# Allegro board OE19_backplane_1v02_b_0705_0920_customer.brd (continued)
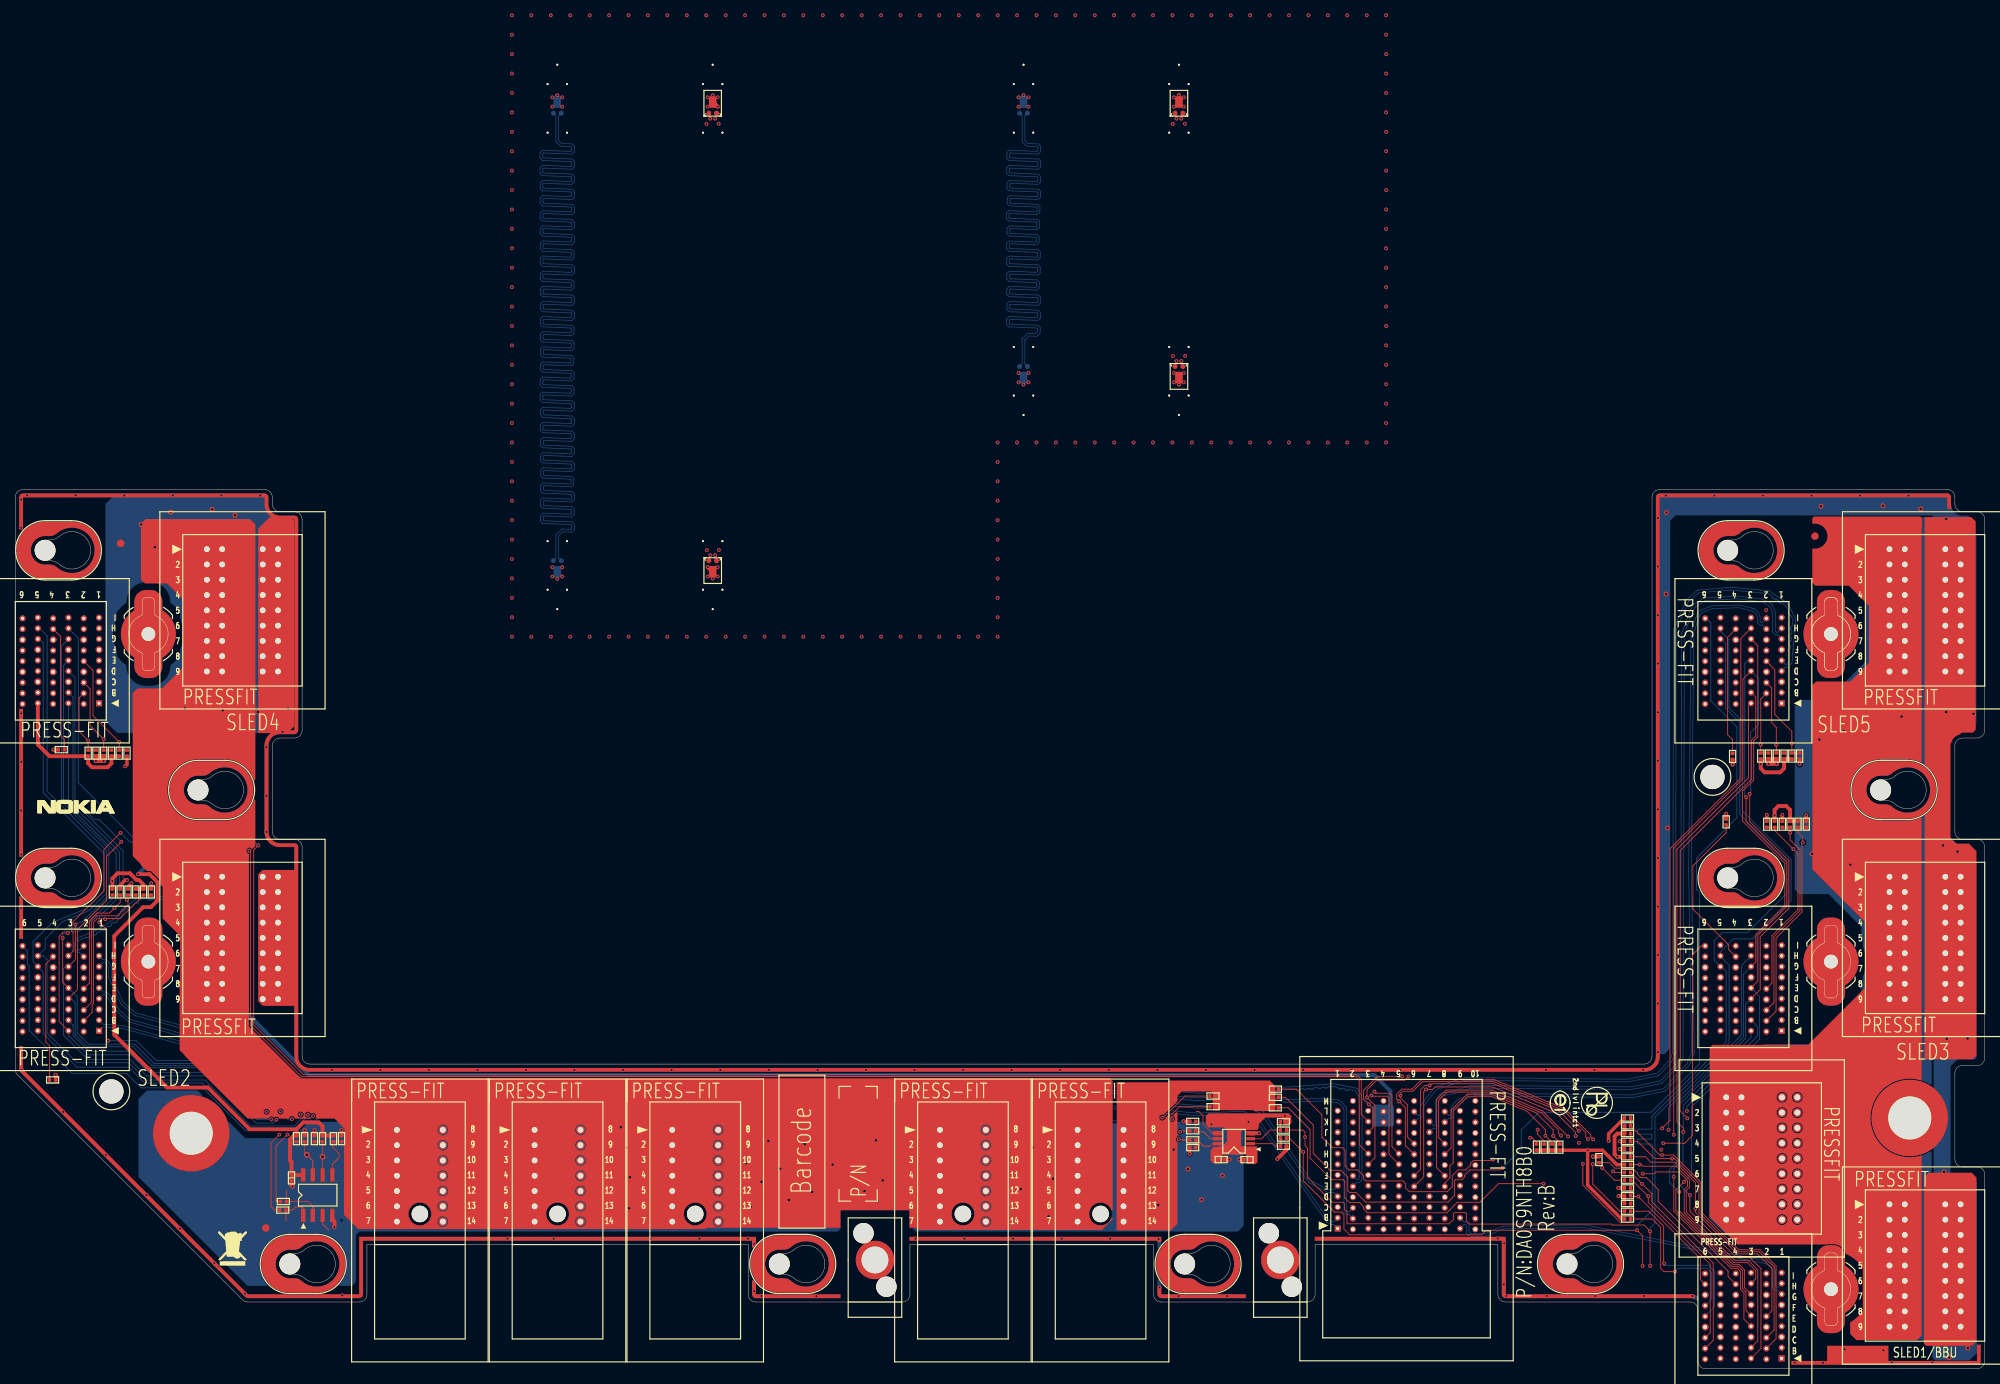
[diagram p0: board, top side]
## Routing (per net, layer and track width the routed paths; a pad name or vN(x,y) marks a point on that pad's centre or on a via; arc(x,y) is an arc through that point) (continued)
PD_BBU_A0: length 17.2
  TOP w0.114: J7.H6 220.34,11.66 220.34,14.38 212.22,22.5 v1(212.22,22.53) 211.3,22.53 R31.2 R32.1
PD_SLED1_CHASSIS_INTRUSION: length 25.9
  TOP w0.114: R54.1 208.43,26.95 209.15,26.23 211.46,26.23 212.11,25.58 212.11,25.42 212.53,25 213.26,25 214.81,23.45 214.81,21.89 223.94,12.76 223.94,12.06 J7.H4
PD_SLED1_PRSNT_RETURN: length 74.1
  TOP w0.114: v1(199.83,24.21) 193.94,24.21 191.5,21.77 188.54,21.77 187.18,20.4 176.78,20.4 176.29,20.88 176.29,21.2 175.75,21.74 174.44,21.74 173.83,22.35 173.83,24.5 173.61,24.72 172.12,24.72 169.29,27.55 169.29,31.29 166.44,34.13 R41.1
  IN1 w0.127: J7.I6 220.29,12.45 215.18,17.56 215.18,20.44 214.26,21.36 211.71,21.36 210.68,22.39 210.68,23.86 210.32,24.21 v1(199.83,24.21)
PD_SLED2_CHASSIS_INTRUSION: length 16.7
  TOP w0.114: R55.1 4.48,42.23 3.98,42.73 3.98,52.93 J9.H4
PD_SLED2_PRSNT_RETURN: length 173.5
  TOP w0.114: v1(151.24,32.69) 151.24,33.28 152.23,34.28 R42.1
  BOTTOM w0.114: J9.I6 0.95,55.28 1.56,54.67 1.56,52.93 1.81,52.69 1.81,44.28 7.46,38.63 14.57,38.63 16.46,36.74 24.51,36.74 30.08,31.17 36.74,31.17 38.01,32.44 39.28,32.44 39.73,32.89 93.32,32.89 93.78,32.43 149.61,32.43 149.91,32.13 150.69,32.13 v1(151.24,32.69)
PD_SLED3_CHASSIS_INTRUSION: length 21.4
  TOP w0.114: J10.H4 224.02,54.83 224.02,55.43 219.34,60.11 219.34,65.77 223.7,70.12 R56.1
PD_SLED3_PRSNT_RETURN: length 94.7
  TOP w0.114: J10.I6 220.42,55.3 219.3,54.18 219.3,30.53 218.27,29.5 v1(215.48,29.5) ; v1(193.21,27.35) 193.1,27.24 190.65,27.24 190.29,26.89 190.29,26.63 189.65,26 188.65,26 187.88,25.23 187.88,23.82 187.22,23.15 182.28,23.15 181.79,23.64 181.79,24.21 181.44,24.56 176.59,24.56 176.29,24.86 176.29,25.23 175.51,26.01 174.38,26.01 173.87,26.51 173.87,28.57 173.53,28.91 172.22,28.91 170.83,30.3 170.83,33.23 167.49,36.57 R43.1
  IN2 w0.127: v1(193.21,27.35) 193.67,27.35 194.95,28.63 204.28,28.63 204.87,29.23 206.36,29.23 208.43,27.16 209.94,27.16 212.28,29.5 v1(215.48,29.5)
PD_SLED4_CHASSIS_INTRUSION: length 16.4
  TOP w0.114: J11.H4 5.9,95.8 5.9,82.84 6.41,82.33 R57.1
PD_SLED4_PRSNT_RETURN: length 213.4
  TOP w0.114: R44.1 152.93,35.67 150.12,32.86 v1(149.97,32.86)
  IN2 w0.127: v1(149.97,32.86) 149.28,32.16 117,32.16 116.81,32.35 51.63,32.35 51.44,32.54 37.23,32.54 35.43,34.34 28.84,34.34 24.62,38.56 15.19,38.56 10.19,43.56 10.19,58.6 11.68,60.09 11.68,66.36 8.18,69.86 8.18,83.2 5.22,86.16 2.66,86.16 1.92,86.91 1.92,97.28 1.05,98.15 J11.I6
PD_SLED5_CHASSIS_INTRUSION: length 17
  TOP w0.114: J12.H4 223.89,95.69 223.89,82.93 224.54,82.28 R58.1
PD_SLED5_PRSNT_RETURN: length 136.7
  TOP w0.114: R45.1 166.08,35.5 169.71,31.87 169.71,28.15 171.91,25.96 173.32,25.96 174.22,25.05 174.22,23.27 174.43,23.06 175.29,23.06 176.56,21.79 187.32,21.79 188.16,22.63 188.16,24.61 188.28,24.73 189.15,24.73 189.51,25.08 189.51,25.31 190.2,26.01 194.2,26.01 v1(194.44,26.26)
  BOTTOM w0.114: J12.I6 221.12,98.15 221.68,97.58 221.68,87.37 225.09,83.96 225.09,72.06 219.83,66.8 219.83,62.72 220.22,62.33 220.22,39.87 213.88,33.54 199.21,33.54 196.9,31.23 196.9,28.71 v1(194.44,26.26)
SB_SLED1_ADDR_0: length 41.2
  TOP w0.114: J7.B2 230.22,3.92 230.22,13.47 228.13,15.55 225.36,15.55 220.4,20.51 220.4,24.38 216.84,27.95 v1(215.32,27.95) 215.03,27.95 R2297.2 R2298.1
SB_SLED1_ADDR_1: length 38.5
  TOP w0.114: J7.C2 229.95,5.05 229.95,13.36 228.02,15.29 225.25,15.29 220.13,20.4 220.13,24.27 216.92,27.48 v1(216.64,27.48) 214.37,27.48 212.11,29.74 R21.1 R13.2
SB_SLED1_ADDR_2: length 34.4
  TOP w0.114: R24.1 R15.2 213.15,27.71 213.84,27.02 217.01,27.02 219.67,24.36 v1(219.67,20.93) 219.67,20.49 225.14,15.02 227.78,15.02 229.69,13.12 229.69,7.59 J7.E2
SB_SLED2_ADDR_0: length 22.6
  TOP w0.114: R9.1 R8.2 13.71,58.9 11.88,58.9 v1(11.76,58.79) 11.65,58.79 11.51,58.93 10.76,58.93 10.22,58.39 10.22,50.21 10.21,50.21 10.21,47.79 10.05,47.63 10.05,46.6 J9.B2
SB_SLED2_ADDR_1: length 20.1
  TOP w0.114: R1.2 R19.1 14.73,61.48 v1(14.6,61.35) 14.73,61.21 14.73,60.64 13.34,59.25 10.7,59.25 9.95,58.5 9.95,50.32 9.95,50.32 9.95,47.9 J9.C2
SB_SLED2_ADDR_2: length 16.2
  TOP w0.114: J9.E2 9.68,50.43 9.68,58.61 10.68,59.61 12.31,59.61 v1(12.97,60.26) 13.72,61.01 R22.1 R14.2
SB_SLED3_ADDR_0: length 28.6
  TOP w0.114: R10.2 233.09,70.83 ; 233.09,70.83 233.09,70.11 233.71,69.49 v1(233.71,68.83) 233.61,68.74 233.61,59.73 230.22,56.33 230.22,46.77 J10.B2 ; 233.09,70.83 R11.1
SB_SLED3_ADDR_1: length 27.3
  TOP w0.114: J10.C2 229.95,47.9 229.95,56.54 233.34,59.94 233.34,67.88 232.05,69.17 v1(232.05,70.1) R12.2 R20.1
SB_SLED3_ADDR_2: length 25.1
  TOP w0.114: J10.E2 229.68,50.43 229.68,56.65 233.08,60.05 233.08,67.38 v1(232.49,67.97) 230.02,70.44 R2.2 R23.1
SB_SLED4_ADDR_0: length 9.2
  TOP w0.114: J11.B2 8.34,87.74 8.34,83.35 v1(9.53,82.16) R3.2 R7.1
SB_SLED4_ADDR_1: length 10.9
  TOP w0.114: R18.2 R26.1 v1(11.56,82.35) 9.78,84.12 9.78,88.92 J11.C2
SB_SLED4_ADDR_2: length 14.6
  TOP w0.114: J11.E2 10.16,91.34 10.16,85.41 v1(13.59,81.98) R6.2 R28.1
SB_SLED5_ADDR_0: length 9.1
  TOP w0.114: J12.B2 228.22,87.62 v1(228.22,81.66) R16.2 R17.1
SB_SLED5_ADDR_1: length 10.8
  TOP w0.114: J12.C2 229.64,89.06 229.64,84.51 230.25,83.9 v1(230.25,81.61) R25.1 R4.2
SB_SLED5_ADDR_2: length 14.4
  TOP w0.114: J12.E2 230.06,91.44 230.06,85.59 232.28,83.36 v1(232.28,81.79) R5.2 R27.1
SMB_3UBP_TEMP_SCL: length 6.3
  TOP w0.114: U31.2 38.91,21.22 38.25,21.87 R1123.1 35.45,23.31
SMB_3UBP_TEMP_SDA: length 4.8
  TOP w0.114: 35.38,19.35 R1122.1 36.25,20.75 36.63,21.14 37.52,21.14 37.64,21.02 U31.1
SMB_BBU_ALERT_N: length 56.8
  TOP w0.114: R37.2 211.2,21.4 R38.1 209.79,20.6 206.26,24.14 206.26,24.98 v1(206.26,26.75)
  IN1 w0.127: v1(206.26,26.75) 205.74,27.27 199.17,27.27 197.36,29.09 197.36,32.53 192.16,37.72 186.79,37.72 183.68,34.61 183.68,19.56 J8.A7
SMB_BBU_ALERT_R_N: length 23.5
  TOP w0.114: R38.2 213.57,20.6 215.52,18.65 215.52,13.82 v1(215.6,13.74)
  BOTTOM w0.114: v1(215.6,13.74) 215.81,13.53 221.39,13.53 222.18,12.74 222.18,8.08 J7.E6
SMB_PMBUS_BBU_SCL: length 27.9
  TOP w0.114: R39.2 v1(212.71,24.17) 213.98,22.9 213.98,21.84 222,13.82 222,3.7 J7.B6
SMB_PMBUS_BBU_SDA: length 25.3
  TOP w0.114: R40.2 211.4,24.66 v1(213.51,22.56) 213.51,21.75 221.61,13.65 221.61,4.71 J7.C6
SMB_PMBUS_SCL: length 44.5
  TOP w0.114: R39.1 209.04,25.68 v1(208.91,25.81)
  IN1 w0.127: v1(208.91,25.81) 198.74,25.81 196.06,28.5 196.06,31.99 191.63,36.42 187.32,36.42 186.15,35.25 186.15,24.58 185.85,24.28 185.85,23.49 J8.D7
SMB_PMBUS_SDA: length 44.2
  TOP w0.114: v1(207.48,26.28) 209.1,24.66 R40.1
  IN1 w0.127: J8.E7 185.72,24.76 185.72,35.43 187.14,36.86 191.81,36.86 196.49,32.17 196.49,28.68 198.89,26.28 v1(207.48,26.28)
SMB_SLED_BUF_SCL: length 406.4
  TOP w0.114: v1(212.77,13.44) 212.77,17.38 v1(212.04,18.12) 192.3,18.12 191.7,17.51 174.47,17.51 173.72,18.26 173.72,20.2 173.43,20.49 172.5,20.49 168.4,24.59 v1(168.4,28.35) 166.57,30.17 R52.2
  IN1 w0.127: v1(168.4,28.35) 168.09,28.65 151.54,28.65 145.51,34.68 40.56,34.68 v1(38.94,33.06)
  IN2 w0.127: J7.G5 222.62,9.75 221.97,10.4 214.3,10.4 212.77,11.92 v1(212.77,13.44)
  BOTTOM w0.114: v1(212.04,18.12) 212.04,18.73 214.07,20.76 214.07,29.2 213.88,29.39 212.21,29.39 212.09,29.5 212.09,29.92 212.21,30.04 213.88,30.04 214,30.15 214,30.57 213.88,30.69 212.21,30.69 212.09,30.8 212.09,31.22 212.21,31.34 213.88,31.34 214,31.45 214,33.04 223.69,42.73 223.69,52.01 223.1,52.6 J10.G5 222.13,53.42 222.13,55.98 223.19,57.04 226.47,57.04 231.6,62.17 231.6,66.39 225.48,72.52 225.48,84.52 223.6,86.39 223.6,94.89 223.04,95.45 J12.G5 ; J11.G5 3.14,95.45 3.65,94.94 3.65,75.34 11.6,67.4 11.6,62.42 9.43,60.25 4.82,58.34 2.32,55.85 2.32,53.23 J9.G5 2.95,52.58 3.63,51.9 3.63,43.86 8.05,39.44 14.84,39.44 16.91,37.37 24.46,37.37 30.36,31.47 36.61,31.47 37.89,32.76 38.63,32.76 v1(38.94,33.06)
SMB_SLED_BUF_SCL_R: length 5.1
  TOP w0.114: R52.1 R50.2 164.78,29.1 164.45,29.43 U118.2
SMB_SLED_BUF_SDA: length 403.3
  TOP w0.114: R53.2 168.35,31.21 168.63,30.93 v1(168.63,30.3) 168.63,29.2 168.96,28.87 168.96,24.99 172.18,21.77 173.6,21.77 173.8,21.58 173.8,20.86 174.11,20.55 174.11,19.08 174.23,18.96 187.46,18.96 188.04,19.54 188.04,20.3 188.16,20.41 189.6,20.41 189.73,20.29 189.73,19.35 190.15,18.93 208.68,18.93 208.81,18.79 212.96,18.79 213.75,18 v1(213.75,17.94) v1(213.75,13.45)
  IN1 w0.127: v1(168.63,30.3) 167.85,30.3 166.88,29.32 151.93,29.32 146.12,35.13 40.15,35.13 v1(38.25,33.22)
  IN2 w0.127: J7.H5 222.22,11.15 221.65,11.71 215.48,11.71 v1(213.75,13.45)
  BOTTOM w0.114: v1(38.25,33.22) 37.96,33.22 36.48,31.75 30.81,31.75 24.79,37.76 17.13,37.76 14.85,40.04 8.04,40.04 4.16,43.91 4.16,53.51 3.67,54 J9.H5 3.92,54.97 3.92,56.21 6.2,58.49 9.65,59.92 11.94,62.21 11.94,67.77 4.15,75.55 4.15,95.88 3.18,96.85 J11.H5 ; J12.H5 222.95,96.49 224.05,95.39 224.05,86.48 225.8,84.72 225.8,72.97 232.19,66.59 232.19,61.26 227.16,56.23 224.66,56.23 222.95,54.52 J10.H5 222.95,53.91 224.08,52.79 224.08,42.6 214.38,32.9 214.38,19.03 213.75,18.39 v1(213.75,17.94)
SMB_SLED_BUF_SDA_R: length 5.4
  TOP w0.114: R51.2 R53.1 164.08,31.21 162.96,30.08 U118.3
SMB_SLED_COMBINE_SCL: length 202.4
  TOP w0.114: v1(35.59,30.63) 34.08,29.12 34.08,21.99 34.19,21.87 R1123.2 ; R46.1 152.19,29.94 v1(152.12,30.01) ; v1(177.31,35.75) 177.42,35.64 179.35,35.64 179.61,35.39 179.61,28.03 J8.G5
  IN1 w0.127: v1(152.12,30.01) 151.72,30.42 151.72,31.3 151.98,31.57 153.45,31.57 153.71,31.32 166.76,31.32 167.64,32.19 171.22,32.19 172.13,33.1 173.56,33.1 173.83,32.83 173.83,32.05 174.33,31.55 177.07,31.55 177.64,32.12 177.64,35.42 v1(177.31,35.75) 177.19,35.75 176.5,36.44 38.67,36.44 35.7,33.47 35.7,30.74 v1(35.59,30.63)
SMB_SLED_COMBINE_SCL_R: length 4.3
  TOP w0.114: U118.7 156.55,29.43 156.22,29.11 155.33,29.11 154.49,29.94 R46.2 R48.2
SMB_SLED_COMBINE_SDA: length 203.1
  TOP w0.114: v1(34.53,30.62) 33.41,29.51 33.41,21.23 33.9,20.75 R1122.2 ; J8.H5 180,29.04 180,35.7 179.67,36.03 177.92,36.03 v1(177.71,36.25) ; R47.1 152.44,31.12 v1(152.32,30.99)
  IN1 w0.127: v1(152.32,30.99) 153.37,29.94 166.23,29.94 167.23,30.94 170.43,30.94 171.15,30.23 177.36,30.23 178.16,31.03 178.16,35.79 v1(177.71,36.25) 177.49,36.46 177.09,36.46 176.68,36.87 38.47,36.87 35.22,33.62 35.22,31.31 v1(34.53,30.62)
SMB_SLED_COMBINE_SDA_R: length 4.5
  TOP w0.114: R49.2 R47.2 154.5,30.97 155.4,30.97 156.29,30.08 U118.6
TGND: length 7.2
  TOP w0.508: J16.3 v1(152.15,128.74) ; J22.3 v1(152.15,166.58) ; v1(91.83,165.08) 91.24,165.68 J28.3 ; J34.3 91.14,104.25 v1(90.54,104.84)
  BOTTOM w0.381: J33.3 v1(70.87,166.58) ; J27.3 v1(70.87,103.34)
  BOTTOM w0.508: J15.3 v1(131.83,166.58) ; J21.3 v1(131.83,128.74)
  vias: v1(64.94,177.03) v1(64.94,174.49) v1(64.94,171.95) v1(64.94,169.41) v1(64.94,166.87) v1(64.94,164.33) v1(64.94,161.79) v1(64.94,159.25) v1(64.94,156.71) v1(64.94,154.17) v1(64.94,151.63) v1(64.94,149.09) v1(64.94,146.55) v1(64.94,144.01) v1(64.94,141.47) v1(64.94,138.93) v1(64.94,136.39) v1(64.94,133.85) v1(64.94,131.31) v1(64.94,128.77) v1(64.94,126.23) v1(64.94,123.69) v1(64.94,121.15) v1(64.94,118.61) v1(64.94,116.07) v1(64.94,113.53) v1(64.94,110.99) v1(64.94,108.45) v1(64.94,105.91) v1(64.94,103.37) v1(64.94,100.83) v1(64.94,98.29) v1(64.94,95.75) v1(67.48,177.03) v1(67.48,95.75) v1(70.02,177.03) v1(70.02,95.75) v1(70.22,166.3) v1(70.22,165.08) v1(70.22,104.84) v1(70.22,103.62) v1(71.51,166.3) v1(71.51,165.08) v1(71.51,104.84) v1(71.51,103.62) v1(72.56,177.03) v1(72.56,95.75) v1(75.1,177.03) v1(75.1,95.75) v1(77.64,177.03) v1(77.64,95.75) v1(80.18,177.03) v1(80.18,95.75) v1(82.72,177.03) v1(82.72,95.75) v1(85.26,177.03) v1(85.26,95.75) v1(87.8,177.03) v1(87.8,95.75) v1(90.34,177.03) v1(90.34,95.75) v1(90.37,162.83) v1(90.41,107.07) v1(90.54,166.3) v1(90.54,165.08) v1(90.54,103.62) v1(91.19,166.58) v1(91.19,103.34) v1(91.83,166.3) v1(91.83,104.84) v1(91.83,103.62) v1(91.96,162.86) v1(92,107.09) v1(92.88,177.03) v1(92.88,95.75) v1(95.42,177.03) v1(95.42,95.75) v1(97.96,177.03) v1(97.96,95.75) v1(100.5,177.03) v1(100.5,95.75) v1(103.04,177.03) v1(103.04,95.75) v1(105.58,177.03) v1(105.58,95.75) v1(108.12,177.03) v1(108.12,95.75) v1(110.66,177.03) v1(110.66,95.75) v1(113.2,177.03) v1(113.2,95.75) v1(115.74,177.03) v1(115.74,95.75) v1(118.28,177.03) v1(118.28,95.75) v1(120.82,177.03) v1(120.82,95.75) v1(123.36,177.03) v1(123.36,95.75) v1(125.9,177.03) v1(125.9,95.75) v1(128.44,177.03) v1(128.44,121.15) v1(128.44,118.61) v1(128.44,116.07) v1(128.44,113.53) v1(128.44,110.99) v1(128.44,108.45) v1(128.44,105.91) v1(128.44,103.37) v1(128.44,100.83) v1(128.44,98.29) v1(128.44,95.75) v1(130.98,177.03) v1(130.98,121.15) v1(131.18,166.3) v1(131.18,165.08) v1(131.18,130.24) v1(131.18,129.02) v1(132.47,166.3) v1(132.47,165.08) v1(132.47,130.24) v1(132.47,129.02) v1(133.52,177.03) v1(133.52,121.15) v1(136.06,177.03) v1(136.06,121.15) v1(138.6,177.03) v1(138.6,121.15) v1(141.14,177.03) v1(141.14,121.15) v1(143.68,177.03) v1(143.68,121.15) v1(146.22,177.03) v1(146.22,121.15) v1(148.76,177.03) v1(148.76,121.15) v1(151.3,177.03) v1(151.33,162.83) v1(151.3,121.15) v1(151.37,132.47) v1(151.5,166.3) v1(151.5,165.08) v1(151.5,130.24) v1(151.5,129.02) v1(152.79,166.3) v1(152.79,165.08) v1(152.79,130.24) v1(152.79,129.02) v1(152.92,162.86) v1(152.96,132.49) v1(153.84,177.03) v1(153.84,121.15) v1(156.38,177.03) v1(156.38,121.15) v1(158.92,177.03) v1(158.92,121.15) v1(161.46,177.03) v1(161.46,121.15) v1(164,177.03) v1(164,121.15) v1(166.54,177.03) v1(166.54,121.15) v1(169.08,177.03) v1(169.08,121.15) v1(171.62,177.03) v1(171.62,121.15) v1(174.16,177.03) v1(174.16,121.15) v1(176.7,177.03) v1(176.7,121.15) v1(179.24,177.03) v1(179.24,174.49) v1(179.24,171.95) v1(179.24,169.41) v1(179.24,166.87) v1(179.24,164.33) v1(179.24,161.79) v1(179.24,159.25) v1(179.24,156.71) v1(179.24,154.17) v1(179.24,151.63) v1(179.24,149.09) v1(179.24,146.55) v1(179.24,144.01) v1(179.24,141.47) v1(179.24,138.93) v1(179.24,136.39) v1(179.24,133.85) v1(179.24,131.31) v1(179.24,128.77) v1(179.24,126.23) v1(179.24,123.69) v1(179.24,121.15)
TMP75_1_A0: length 5.9
  TOP w0.114: U31.7 38.91,27.21 v2(38.13,27.98) 37.84,28.28 R1114.1 R1113.2
TMP75_1_A1: length 5.4
  TOP w0.114: U31.6 v2(40.18,27.72) 40.18,29.69 R1108.2 R1109.1
TMP75_1_A2: length 6.2
  TOP w0.114: R1103.1 R1102.2 41.45,29.55 41.45,29.04 42.31,28.17 42.31,27.57 41.45,26.7 U31.5
TP_BUF_EN: length 4.6
  TOP w0.114: 154.42,33.64 154.75,33.64 155.29,33.1 155.29,32.01 156.49,30.81 U118.5
TP_TMP75_1_ALERT: length 2.2
  TOP w0.114: 40.98,18.14 40.18,18.95 U31.3

## Copper pours and planes (outline as drawn; the poured copper is in the pictures)
GND on TOP (solid shape): 1.02,66.99 0.51,66.99 0.51,86.32 1.02,86.32
GND on TOP (solid shape): 244.9,1 236.9,1 236.9,3 244.9,3
GND on TOP (solid shape): 149.84,16.54 149.33,16.54 149.33,16.75 116.9,16.75 116.9,17.26 149.84,17.26
GND on TOP (solid shape): 11.89,80.37 11.89,79.3 11.84,79.25 10.34,79.25 10.24,79.35 10.24,80.37 10.29,80.42 11.84,80.42
GND on TOP (solid shape): 230.58,79.98 230.58,78.92 230.53,78.87 229.03,78.87 228.93,78.97 228.93,79.98 228.98,80.04 230.53,80.04
GND on TOP (solid shape): 255.82,25.62 256.43,25.02 256.43,3.58 255.84,2.99 249.83,2.99 249.54,3.28 249.54,25.01 250.17,25.64 255.82,25.64
GND on TOP (solid shape): 36.08,65.24 36.58,65.24 36.79,65.02 36.79,47.64 36.62,47.46 32.37,47.46 31.75,48.08 31.75,64.66 32.33,65.24 36.08,65.24
GND on TOP (solid shape): 36.39,110.97 36.44,110.97 36.48,110.93 36.48,84.51 36.47,84.51 36.47,84.02 35.59,83.14 31.85,83.14 31.75,83.24 31.75,109.88 33.23,111.36 36.01,111.36
GND on TOP (solid shape): 256.99,1 256.85,0.65 256.5,0.51 232.2,0.51 232.2,1.02 256.48,1.02 256.48,3.14 256.99,3.14
GND on TOP (solid shape): 149.84,9.74 152.3,9.74 152.6,9.71 152.9,9.7 156.4,9.7 156.7,9.71 157,9.74 160.9,9.74 160.9,9.23 149.82,9.23 149.48,9.38 149.33,9.72 149.33,10.85 149.84,10.85
GND on TOP (solid shape): 96.33,11.5 96.41,11.6 96.52,11.55 96.67,11.33 96.84,11.12 96.84,9.74 99.3,9.74 99.6,9.71 99.9,9.7 103.4,9.7 103.7,9.71 104,9.74 107.9,9.74 107.9,9.23 96.83,9.23 96.48,9.38 96.33,9.72
GND on TOP (solid shape): 194.87,9.74 202.3,9.74 202.6,9.71 202.9,9.7 206.4,9.7 206.7,9.71 207,9.74 219,9.74 219.3,9.72 219.58,9.65 219.58,9.26 219.54,9.18 219.45,9.16 219.23,9.22 219,9.23 194.85,9.23 194.5,9.38 194.36,9.72 194.36,16.74 169.9,16.74 169.9,17.25 194.87,17.25
GND on TOP (solid shape): 1.02,39.15 26.58,13.58 26.57,13.55 26.6,13.35 26.8,13.31 26.83,13.33 30.42,9.74 35.3,9.74 35.6,9.71 35.9,9.7 39.4,9.7 39.7,9.71 40,9.74 44.96,9.74 44.96,17.26 96.84,17.26 96.84,16.28 96.83,16.27 96.67,16.06 96.52,15.85 96.41,15.8 96.33,15.9 96.33,16.75 45.47,16.75 45.47,9.72 45.32,9.38 44.98,9.23 30.41,9.23 30.23,9.27 30.07,9.38 0.65,38.79 0.55,38.95 0.51,39.14 0.51,42.17 1.02,42.17
GND on TOP (solid shape): 256.33,110.83 256.33,110.83 256.33,83.59 255.94,83.19 254.49,83.19 254.27,82.97 254.25,82.97 253.53,82.57 253.13,81.85 253.13,81.83 253.03,81.73 253.03,69.41 253.76,68.67 255.45,68.67 255.45,68.67 256.43,67.69 256.43,40.97 255.93,40.47 249.63,40.47 249.63,72.37 251.4,75.7 249.63,79.03 249.63,111.35 249.67,111.4 255.76,111.4
GND on TOP (solid shape): 164.76,36.95 164.76,33.87 164.59,33.69 162,33.69 161.87,33.81 156.71,33.81 156.56,33.96 156.56,34.66 156.54,34.66 156.54,35.29 156.56,35.29 156.56,36.05 156.54,36.05 156.54,36.13 156.41,36.27 152.53,36.27 151.95,35.68 151.95,34.98 150.16,33.19 150.13,33.2 149.63,32.69 150.35,32.77 150.35,32.79 150.86,33.29 150.97,33.32 151.03,33.22 151.03,33.01 151.24,32.31 151.45,33.01 151.45,33.2 151.78,33.52 151.89,33.55 151.95,33.45 151.95,31.11 151.95,31.1 151.93,30.99 151.95,30.89 151.95,30.88 151.95,30.35 151.74,30.01 151.95,29.67 151.95,18.97 151.08,18.09 144.08,18.09 144.01,18.16 144.01,37.47 150.69,37.47 150.93,37.7 164,37.7
GND on TOP (solid shape): 32.6,114.49 32.95,114.35 33.09,114 33.09,113.1 33.53,112.03 34.6,111.59 36.5,111.59 36.85,111.45 36.99,111.1 36.99,83.5 36.85,83.15 36.5,83.01 34.6,83.01 33.53,82.57 33.09,81.5 33.09,70.25 33.53,69.18 34.6,68.74 36.5,68.74 36.85,68.6 36.99,68.25 36.99,40.85 37.43,39.78 38.5,39.34 213,39.34 214.07,39.78 214.51,40.85 214.51,114 214.65,114.35 215,114.49 252.6,114.49 252.95,114.35 253.09,114 253.09,113.1 253.11,112.84 253.18,112.59 253.17,112.5 253.09,112.45 252.69,112.45 252.61,112.77 252.58,113.1 252.58,113.98 215.02,113.98 215.02,40.85 214.43,39.42 213,38.83 38.5,38.83 37.07,39.42 36.48,40.85 36.48,68.23 34.6,68.23 33.17,68.82 32.58,70.25 32.58,81.5 33.17,82.93 34.6,83.52 36.48,83.52 36.48,111.08 34.6,111.08 33.17,111.67 32.58,113.1 32.58,113.98 1.02,113.98 1.02,109.83 0.97,109.78 0.51,109.78 0.51,114 0.65,114.35 1,114.49
GND on BOTTOM (solid shape): 1.02,67 0.51,67 0.51,84.77 1.02,84.77
GND on BOTTOM (solid shape): 244.9,1 236.9,1 236.9,3 244.9,3
GND on BOTTOM (solid shape): 149.84,16.28 149.83,16.27 149.67,16.06 149.52,15.85 149.41,15.8 149.33,15.9 149.33,16.75 116.9,16.75 116.9,17.26 149.84,17.26
GND on BOTTOM (solid shape): 96.33,11.5 96.41,11.6 96.52,11.55 96.67,11.33 96.84,11.12 96.84,9.74 99.3,9.74 99.6,9.71 99.9,9.7 103.4,9.7 103.7,9.71 104,9.74 107.9,9.74 107.9,9.23 96.83,9.23 96.48,9.38 96.33,9.72
GND on BOTTOM (solid shape): 149.33,11.5 149.41,11.6 149.52,11.55 149.67,11.33 149.84,11.12 149.84,9.74 152.3,9.74 152.6,9.71 152.9,9.7 156.4,9.7 156.7,9.71 157,9.74 160.9,9.74 160.9,9.23 149.82,9.23 149.48,9.38 149.33,9.72
GND on BOTTOM (solid shape): 1.02,39.15 30.42,9.74 35.3,9.74 35.6,9.71 35.9,9.7 39.4,9.7 39.7,9.71 40,9.74 44.96,9.74 44.96,17.26 96.84,17.26 96.84,16.28 96.83,16.27 96.67,16.06 96.52,15.85 96.41,15.8 96.33,15.9 96.33,16.75 45.47,16.75 45.47,9.72 45.32,9.38 44.98,9.23 30.41,9.23 30.23,9.27 30.07,9.38 0.65,38.79 0.55,38.95 0.51,39.14 0.51,42.17 1.02,42.17
GND on BOTTOM (solid shape): 189.87,17.12 190.29,16.95 192.26,16.95 192.99,17.25 194.87,17.25 194.87,9.74 202.3,9.74 202.6,9.71 202.9,9.7 206.4,9.7 206.7,9.71 207,9.74 219,9.74 219.58,9.65 220.11,9.4 220.11,8.98 220.06,8.88 219.95,8.9 219.5,9.15 219,9.23 194.85,9.23 194.5,9.38 194.36,9.72 194.36,16.74 169.9,16.74 169.9,17.25 189.74,17.25
GND on BOTTOM (solid shape): 252.88,113.94 252.88,113.14 252.9,113.14 252.94,113.11 252.93,113.06 252.88,113 252.88,112.4 253.85,111.42 253.87,111.42 253.94,111.36 253.94,111.36 256.42,108.88 256.42,84.36 255.34,83.28 253.87,83.28 252.93,82.35 252.93,81.91 252.96,81.88 252.96,70.62 252.9,70.55 252.9,69.65 253.87,68.68 253.89,68.67 256.45,66.12 256.45,40.72 256.16,40.44 253.9,40.44 253.03,39.56 253.03,25.56 255.36,25.56 255.36,25.55 256.48,24.42 256.48,2.07 255.47,1.06 251.04,1.06 250.64,1.46 250.64,3.67 250.65,3.69 250.65,20.54 250.82,20.7 250.82,28.89 252.7,32.8 250.82,36.71 250.82,73.62 251.4,75.7 250.82,77.78 250.82,110.49 250.97,110.64 250.97,111.25 250.62,111.61 232.96,111.61 232.95,111.62 217.08,111.62 216.38,110.92 216.38,62.77 216.34,41.86 215.62,41.15 214.68,41.15 214.61,41.22 214.61,113.95 214.91,114.25 252.56,114.25
GND on BOTTOM (solid shape): 252.6,114.49 252.95,114.35 253.09,114 253.09,113.1 253.53,112.03 254.6,111.59 255.42,111.59 255.42,111.08 254.6,111.08 253.17,111.67 252.58,113.1 252.58,113.98 215.02,113.98 215.02,40.85 214.43,39.42 213,38.83 177.99,38.83 177.9,38.92 38.58,38.92 38.33,39.17 38.31,39.28 38.41,39.34 38.5,39.34 213,39.34 214.07,39.78 214.51,40.85 214.51,114 214.65,114.35 215,114.49
GND on BOTTOM (solid shape): 32.6,114.49 32.95,114.35 33.09,114 33.09,113.1 33.53,112.03 34.6,111.59 36.5,111.59 36.85,111.45 36.99,111.1 36.99,83.5 36.85,83.15 36.5,83.01 34.6,83.01 33.53,82.57 33.09,81.5 33.09,70.25 33.53,69.18 34.6,68.74 36.5,68.74 36.85,68.6 36.99,68.25 36.99,40.85 36.99,40.76 36.93,40.66 36.82,40.68 36.48,41.02 36.48,68.23 34.6,68.23 33.17,68.82 32.58,70.25 32.58,81.5 33.17,82.93 34.6,83.52 36.48,83.52 36.48,111.08 34.6,111.08 33.17,111.67 32.58,113.1 32.58,113.98 1.02,113.98 1.02,109.84 0.51,109.84 0.51,114 0.65,114.35 1,114.49
GND on BOTTOM (solid shape): outline of 1286 points within 11.79,83.16 36.37,114.4
GND on BOTTOM (solid shape): outline of 2865 points within 16.1,10.83 160.6,36.39
GND on GND (solid shape): outline of 3510 points within 0.51,0.51 256.99,114.49
GND on IN1 (solid shape): 149.84,9.74 165.33,9.74 165.33,9.23 149.82,9.23 149.48,9.38 149.33,9.72 149.33,16.75 116.47,16.75 116.47,10.73 115.96,10.73 115.96,17.26 149.84,17.26
GND on IN1 (solid shape): 194.87,9.74 219,9.74 219.66,9.63 220.25,9.31 220.25,8.86 220.18,8.76 220.07,8.79 219.58,9.12 219,9.23 194.85,9.23 194.5,9.38 194.36,9.72 194.36,16.74 169.44,16.74 169.44,12.05 168.93,12.05 168.93,17.04 169,17.14 169.11,17.11 169.35,16.87 191.95,16.87 192.34,17.25 194.87,17.25
GND on IN1 (solid shape): 0.51,44.97 0.56,45.06 0.66,45.05 0.79,45 0.92,44.97 0.99,44.94 1.02,44.87 1.02,39.15 30.42,9.74 44.96,9.74 44.96,17.26 96.84,17.26 96.84,9.74 112.47,9.74 112.6,9.57 112.76,9.41 112.79,9.3 112.69,9.23 96.83,9.23 96.48,9.38 96.33,9.72 96.33,16.75 45.47,16.75 45.47,9.72 45.32,9.38 44.98,9.23 30.41,9.23 30.23,9.27 30.07,9.38 0.65,38.79 0.55,38.95 0.51,39.14
GND on IN1 (solid shape): 32.6,114.49 32.95,114.35 33.09,114 33.09,113.1 33.53,112.03 34.6,111.59 36.5,111.59 36.85,111.45 36.99,111.1 36.99,83.5 36.85,83.15 36.5,83.01 34.6,83.01 33.53,82.57 33.09,81.5 33.09,70.25 33.53,69.18 34.6,68.74 36.5,68.74 36.85,68.6 36.99,68.25 36.99,40.85 37.43,39.78 38.5,39.34 213,39.34 214.07,39.78 214.51,40.85 214.51,114 214.65,114.35 215,114.49 252.6,114.49 252.95,114.35 253.09,114 253.09,113.57 252.58,113.57 252.58,113.98 215.02,113.98 215.02,40.85 214.43,39.42 213,38.83 38.48,38.83 37.07,39.43 36.48,40.85 36.48,68.23 34.6,68.23 33.17,68.82 32.58,70.25 32.58,81.5 33.17,82.93 34.6,83.52 36.48,83.52 36.48,111.08 34.6,111.08 33.17,111.67 32.58,113.1 32.58,113.98 1.02,113.98 1.02,98.78 0.99,98.71 0.92,98.68 0.79,98.66 0.66,98.6 0.56,98.59 0.51,98.68 0.51,114 0.65,114.35 1,114.49
GND on IN1 (solid shape): outline of 4321 points within 0.64,9.45 44.89,114.37
GND on IN1 (solid shape): outline of 5639 points within 194.54,0.64 256.47,114.25
GND on IN2 (solid shape): 1.02,56.21 0.51,56.21 0.51,86.19 1.02,86.19
GND on IN2 (solid shape): 149.84,9.74 165.46,9.74 165.6,9.57 165.76,9.41 165.79,9.3 165.69,9.23 149.82,9.23 149.48,9.38 149.33,9.72 149.33,16.75 116.47,16.75 116.47,11.19 115.96,11.19 115.96,17.26 149.84,17.26
GND on IN2 (solid shape): 190.12,16.86 191.32,16.86 192.25,17.25 194.87,17.25 194.87,9.74 219,9.74 219.59,9.65 220.13,9.39 220.13,8.96 220.07,8.87 219.96,8.89 219.51,9.14 219,9.23 194.85,9.23 194.5,9.38 194.36,9.72 194.36,16.74 169.44,16.74 169.44,10.42 168.93,10.42 168.93,17.25 189.74,17.25
GND on IN2 (solid shape): 1.02,39.15 30.42,9.74 44.96,9.74 44.96,17.26 96.84,17.26 96.84,9.74 112.47,9.74 112.6,9.57 112.76,9.41 112.79,9.3 112.69,9.23 96.83,9.23 96.48,9.38 96.33,9.72 96.33,16.75 45.47,16.75 45.47,9.72 45.32,9.38 44.98,9.23 30.41,9.23 30.23,9.27 30.07,9.38 0.65,38.79 0.55,38.95 0.51,39.14 0.51,43.32 1.02,43.32
